# KiCad board SparkFun_IM19_IMU_Breakout_panelized.kicad_pcb
title: SparkFun IM19 IMU Breakout; date: 2025-10-20; rev: v10; company: SparkFun Electronics; note: Designed by: P.C.
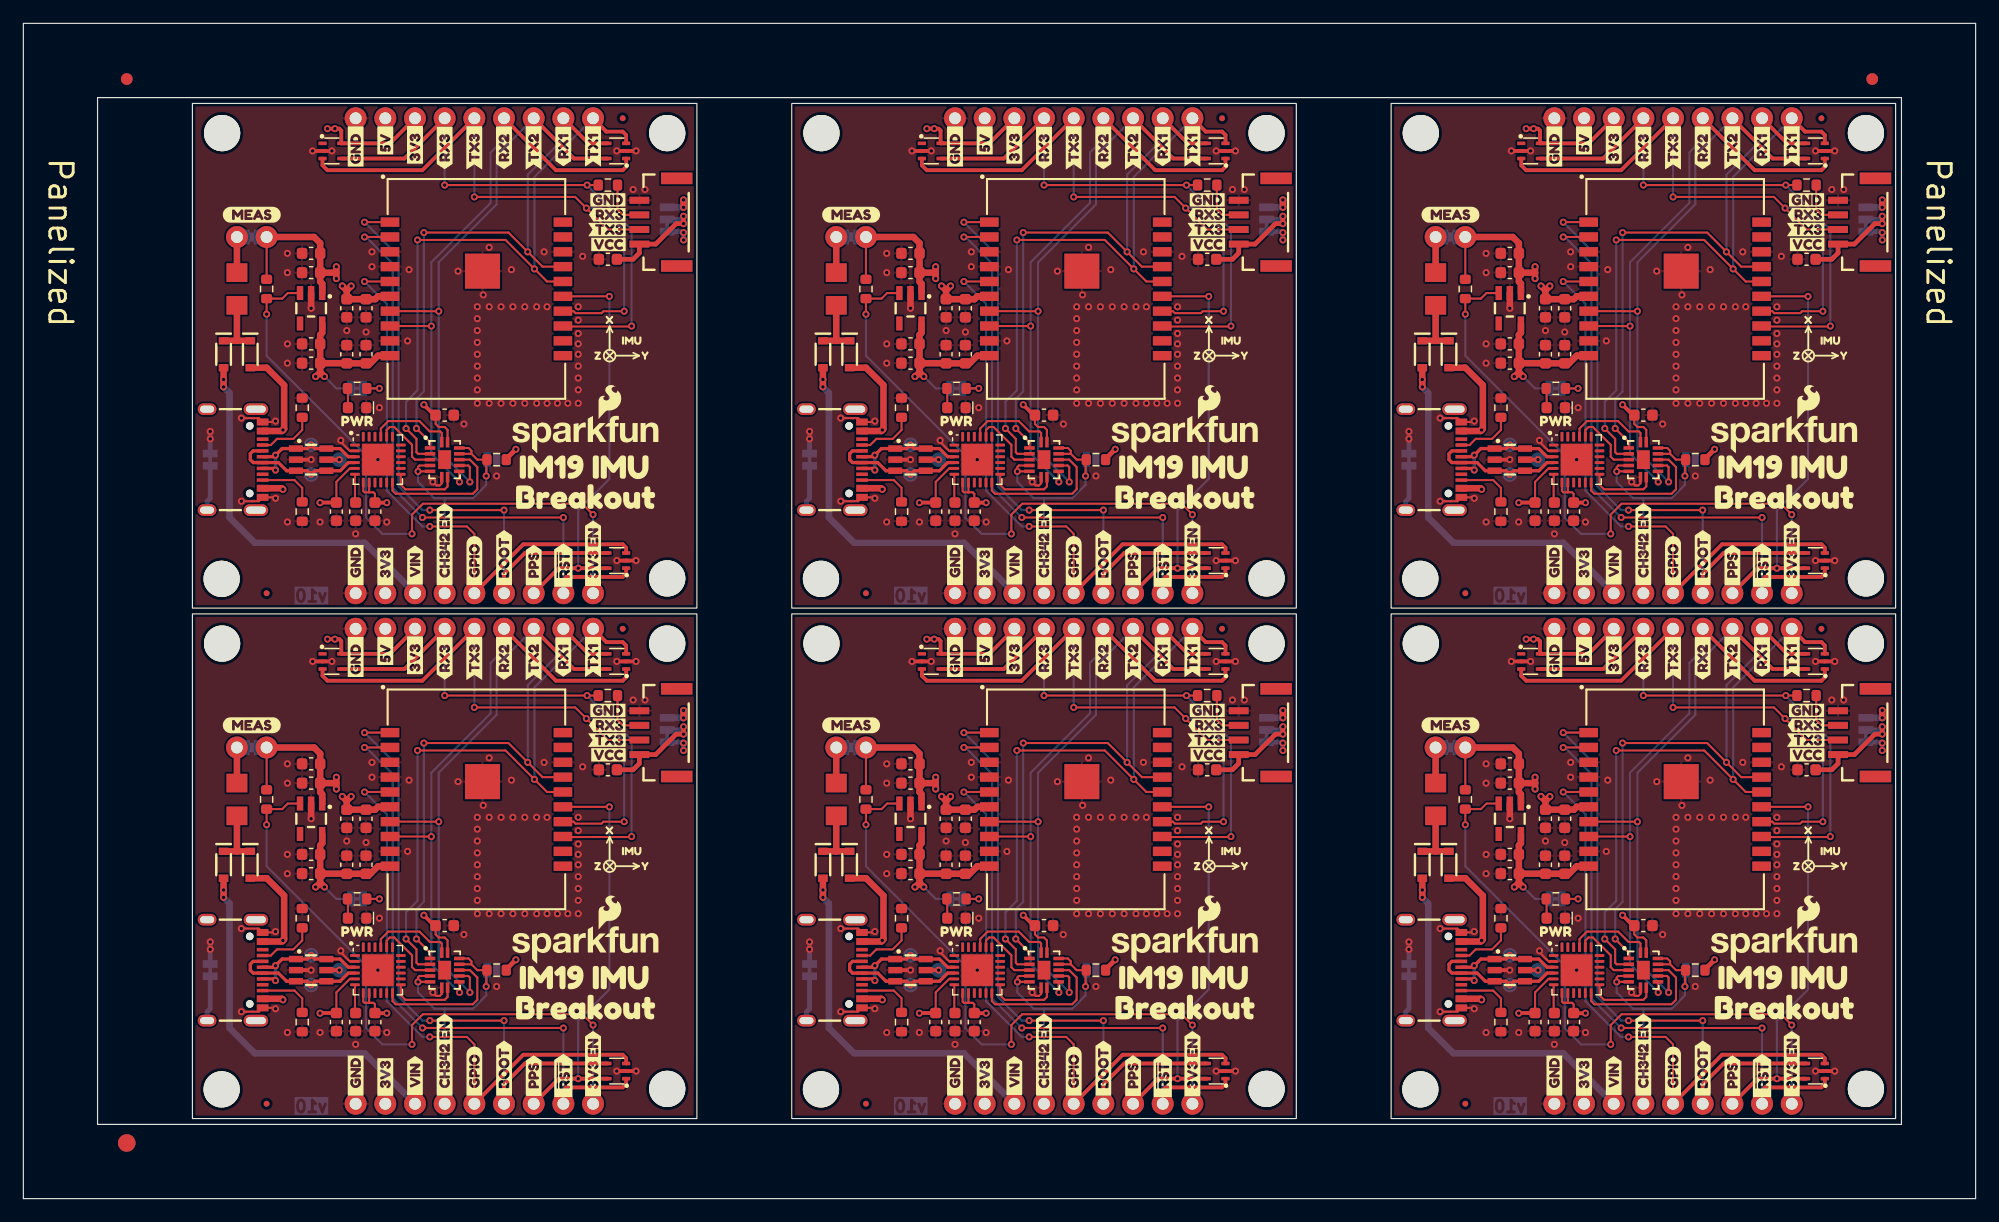
[diagram p0: board, top side]
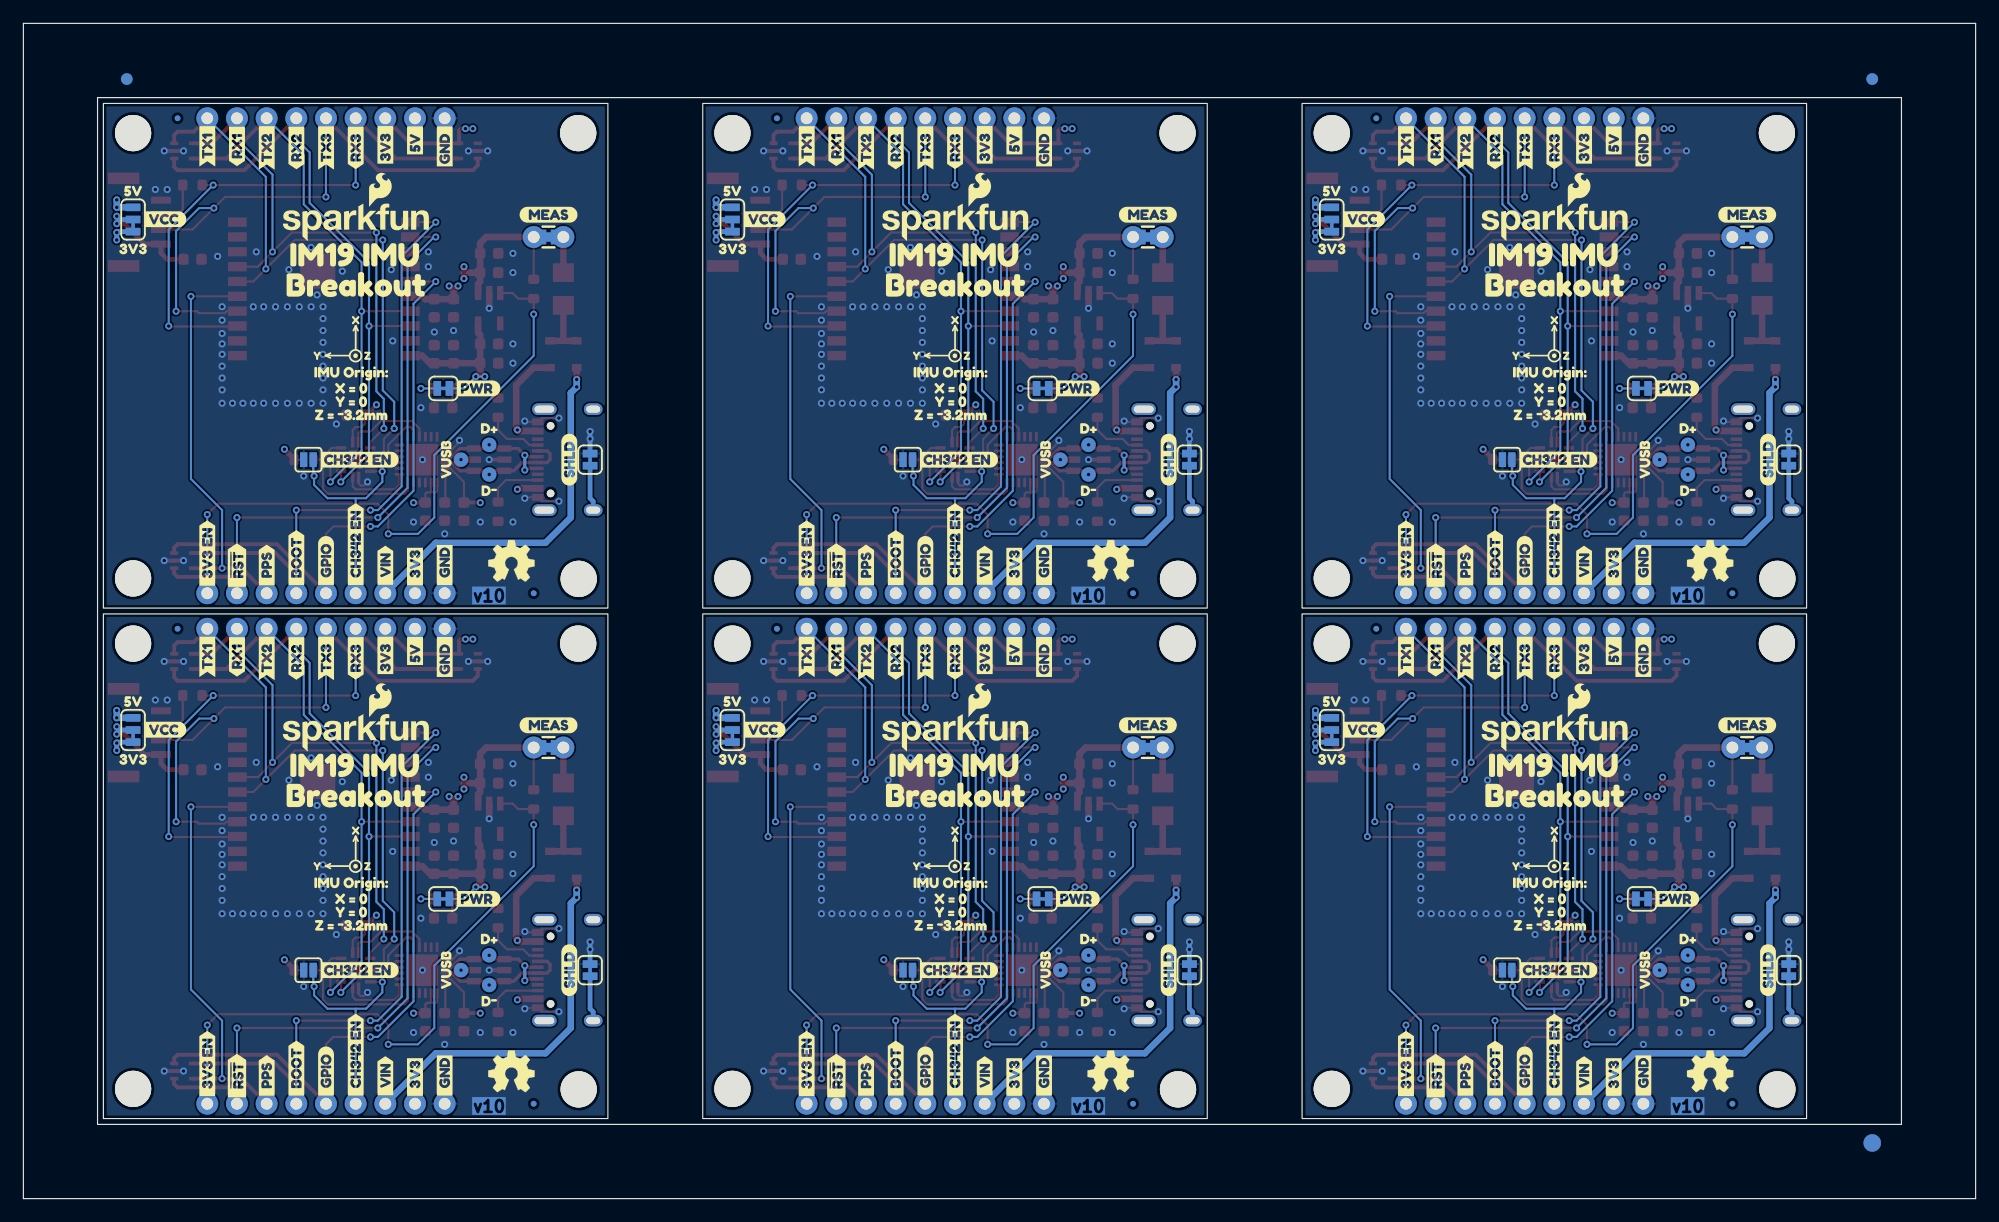
[diagram p1: board, bottom side, seen from below]

Outline 167.1 x 100.56 mm; copper layers: Top, In1.Cu, In2.Cu, Bottom. Coordinates in mm from the lower left corner of the outline.
Outline path: rectangle 14.47,93.71 57.65,50.53 ; rectangle 14.47,50.03 57.65,6.85 ; rectangle 65.77,93.71 108.95,50.53 ; rectangle 65.77,50.03 108.95,6.85 ; rectangle 117.07,93.71 160.25,50.53 ; rectangle 117.07,50.03 160.25,6.85 ; 0,100.56 167.1,100.56 167.1,0 0,0 0,100.56 ; 6.35,94.21 160.75,94.21 160.75,6.35 6.35,6.35 6.35,94.21
Stack: Top 0.035mm / dielectric 0.1mm FR4 er 4.5 / In1.Cu 0.035mm / dielectric 1.24mm FR4 er 4.5 / In2.Cu 0.035mm / dielectric 0.1mm FR4 er 4.5 / Bottom 0.035mm

## Placement (name value [footprint] x y rotation side)
C1  10uF  [C_0603_1608Metric]  27.68 32.5 270 top
C1#2  10uF  [C_0603_1608Metric]  78.98 76.18 270 top
C1#3  10uF  [C_0603_1608Metric]  130.28 32.5 270 top
C1#4  10uF  [C_0603_1608Metric]  78.98 32.5 270 top
C1#5  10uF  [C_0603_1608Metric]  130.28 76.18 270 top
C1#6  10uF  [C_0603_1608Metric]  27.68 76.18 270 top
C2  10uF  [C_0603_1608Metric]  27.68 28.57 90 top
C2#2  10uF  [C_0603_1608Metric]  78.98 28.57 90 top
C2#3  10uF  [C_0603_1608Metric]  27.68 72.25 90 top
C2#4  10uF  [C_0603_1608Metric]  78.98 72.25 90 top
C2#5  10uF  [C_0603_1608Metric]  130.28 28.57 90 top
C2#6  10uF  [C_0603_1608Metric]  130.28 72.25 90 top
C3  0.1uF  [C_0603_1608Metric]  29.33 32.5 270 top
C3#2  0.1uF  [C_0603_1608Metric]  80.63 32.5 270 top
C3#3  0.1uF  [C_0603_1608Metric]  29.33 76.18 270 top
C3#4  0.1uF  [C_0603_1608Metric]  80.63 76.18 270 top
C3#5  0.1uF  [C_0603_1608Metric]  131.93 32.5 270 top
C3#6  0.1uF  [C_0603_1608Metric]  131.93 76.18 270 top
C4  0.1uF  [C_0603_1608Metric]  131.93 72.25 90 top
C4#2  0.1uF  [C_0603_1608Metric]  29.33 28.57 90 top
C4#3  0.1uF  [C_0603_1608Metric]  80.63 72.25 90 top
C4#4  0.1uF  [C_0603_1608Metric]  131.93 28.57 90 top
C4#5  0.1uF  [C_0603_1608Metric]  29.33 72.25 90 top
C4#6  0.1uF  [C_0603_1608Metric]  80.63 28.57 90 top
C5  1.0uF  [C_0603_1608Metric]  30.09 15.11 270 top
C5#2  1.0uF  [C_0603_1608Metric]  132.69 58.78 270 top
C5#3  1.0uF  [C_0603_1608Metric]  132.69 15.11 270 top
C5#4  1.0uF  [C_0603_1608Metric]  81.39 15.11 270 top
C5#5  1.0uF  [C_0603_1608Metric]  30.09 58.78 270 top
C5#6  1.0uF  [C_0603_1608Metric]  81.39 58.78 270 top
C6  1.0uF  [C_0603_1608Metric]  26.79 15.11 270 top
C6#2  1.0uF  [C_0603_1608Metric]  129.39 58.78 270 top
C6#3  1.0uF  [C_0603_1608Metric]  129.39 15.11 270 top
C6#4  1.0uF  [C_0603_1608Metric]  26.79 58.78 270 top
C6#5  1.0uF  [C_0603_1608Metric]  78.09 15.11 270 top
C6#6  1.0uF  [C_0603_1608Metric]  78.09 58.78 270 top
C7  0.1uF  [C_0603_1608Metric]  28.44 15.11 270 top
C7#2  0.1uF  [C_0603_1608Metric]  28.44 58.78 270 top
C7#3  0.1uF  [C_0603_1608Metric]  131.04 15.11 270 top
C7#4  0.1uF  [C_0603_1608Metric]  79.74 58.78 270 top
C7#5  0.1uF  [C_0603_1608Metric]  79.74 15.11 270 top
C7#6  0.1uF  [C_0603_1608Metric]  131.04 58.78 270 top
C8  10uF  [C_0603_1608Metric]  24.63 37.2 180 top
C8#2  10uF  [C_0603_1608Metric]  75.93 37.2 180 top
C8#3  10uF  [C_0603_1608Metric]  75.93 80.88 180 top
C8#4  10uF  [C_0603_1608Metric]  127.23 80.88 180 top
C8#5  10uF  [C_0603_1608Metric]  24.63 80.88 180 top
C8#6  10uF  [C_0603_1608Metric]  127.23 37.2 180 top
C9  1.0uF  [C_0603_1608Metric]  24.63 35.55 180 top
C9#2  1.0uF  [C_0603_1608Metric]  24.63 79.23 180 top
C9#3  1.0uF  [C_0603_1608Metric]  75.93 79.23 180 top
C9#4  1.0uF  [C_0603_1608Metric]  75.93 35.55 180 top
C9#5  1.0uF  [C_0603_1608Metric]  127.23 79.23 180 top
C9#6  1.0uF  [C_0603_1608Metric]  127.23 35.55 180 top
C10  1.0uF  [C_0603_1608Metric]  24.63 29.46 180 top
C10#2  1.0uF  [C_0603_1608Metric]  24.63 73.14 180 top
C10#3  1.0uF  [C_0603_1608Metric]  75.93 73.14 180 top
C10#4  1.0uF  [C_0603_1608Metric]  127.23 29.46 180 top
C10#5  1.0uF  [C_0603_1608Metric]  75.93 29.46 180 top
C10#6  1.0uF  [C_0603_1608Metric]  127.23 73.14 180 top
C11  10uF  [C_0603_1608Metric]  50.03 36.7 180 top
C11#2  10uF  [C_0603_1608Metric]  50.03 80.38 180 top
C11#3  10uF  [C_0603_1608Metric]  101.33 36.7 180 top
C11#4  10uF  [C_0603_1608Metric]  101.33 80.38 180 top
C11#5  10uF  [C_0603_1608Metric]  152.63 36.7 180 top
C11#6  10uF  [C_0603_1608Metric]  152.63 80.38 180 top
C12  10uF  [C_0603_1608Metric]  24.63 27.81 180 top
C12#2  10uF  [C_0603_1608Metric]  75.93 27.81 180 top
C12#3  10uF  [C_0603_1608Metric]  24.63 71.48 180 top
C12#4  10uF  [C_0603_1608Metric]  127.23 27.81 180 top
C12#5  10uF  [C_0603_1608Metric]  75.93 71.48 180 top
C12#6  10uF  [C_0603_1608Metric]  127.23 71.48 180 top
C13  1.0uF  [C_0603_1608Metric]  36.06 23.36 0 top
C13#2  1.0uF  [C_0603_1608Metric]  36.06 67.04 0 top
C13#3  1.0uF  [C_0603_1608Metric]  87.36 23.36 0 top
C13#4  1.0uF  [C_0603_1608Metric]  138.66 23.36 0 top
C13#5  1.0uF  [C_0603_1608Metric]  138.66 67.04 0 top
C13#6  1.0uF  [C_0603_1608Metric]  87.36 67.04 0 top
CH342_EN.1  CH342_EN  [Jumper_2_NO]  40.1 19.55 180 bottom
CH342_EN.1#2  CH342_EN  [Jumper_2_NO]  40.1 63.23 180 bottom
CH342_EN.1#3  CH342_EN  [Jumper_2_NO]  142.7 63.23 180 bottom
CH342_EN.1#4  CH342_EN  [Jumper_2_NO]  91.4 19.55 180 bottom
CH342_EN.1#5  CH342_EN  [Jumper_2_NO]  91.4 63.23 180 bottom
CH342_EN.1#6  CH342_EN  [Jumper_2_NO]  142.7 19.55 180 bottom
D1  BAT60A  [SOD-323]  19.42 28.57 270 top
D1#2  BAT60A  [SOD-323]  122.02 28.57 270 top
D1#3  BAT60A  [SOD-323]  70.72 72.25 270 top
D1#4  BAT60A  [SOD-323]  19.42 72.25 270 top
D1#5  BAT60A  [SOD-323]  70.72 28.57 270 top
D1#6  BAT60A  [SOD-323]  122.02 72.25 270 top
D2  BAT60A  [SOD-323]  17.14 28.57 270 top
D2#2  BAT60A  [SOD-323]  17.14 72.25 270 top
D2#3  BAT60A  [SOD-323]  68.44 72.25 270 top
D2#4  BAT60A  [SOD-323]  68.44 28.57 270 top
D2#5  BAT60A  [SOD-323]  119.74 72.25 270 top
D2#6  BAT60A  [SOD-323]  119.74 28.57 270 top
D3  Red  [LED_0603_1608Metric_Red]  28.57 24 180 top
D3#2  Red  [LED_0603_1608Metric_Red]  28.57 67.68 180 top
D3#3  Red  [LED_0603_1608Metric_Red]  79.87 67.68 180 top
D3#4  Red  [LED_0603_1608Metric_Red]  79.87 24 180 top
D3#5  Red  [LED_0603_1608Metric_Red]  131.17 24 180 top
D3#6  Red  [LED_0603_1608Metric_Red]  131.17 67.68 180 top
D4  DF5A5.6LFU  [SOT-353]  50.79 45.97 180 top
D4#2  DF5A5.6LFU  [SOT-353]  102.09 45.97 180 top
D4#3  DF5A5.6LFU  [SOT-353]  50.79 89.65 180 top
D4#4  DF5A5.6LFU  [SOT-353]  153.39 45.97 180 top
D4#5  DF5A5.6LFU  [SOT-353]  102.09 89.65 180 top
D4#6  DF5A5.6LFU  [SOT-353]  153.39 89.65 180 top
D5  DF5A5.6LFU  [SOT-353]  26.41 45.97 0 top
D5#2  DF5A5.6LFU  [SOT-353]  77.71 45.97 0 top
D5#3  DF5A5.6LFU  [SOT-353]  26.41 89.65 0 top
D5#4  DF5A5.6LFU  [SOT-353]  129.01 89.65 0 top
D5#5  DF5A5.6LFU  [SOT-353]  129.01 45.97 0 top
D5#6  DF5A5.6LFU  [SOT-353]  77.71 89.65 0 top
D6  DT1042-04SO  [SOT23-6]  24.63 19.55 0 top
D6#2  DT1042-04SO  [SOT23-6]  24.63 63.23 0 top
D6#3  DT1042-04SO  [SOT23-6]  75.93 19.55 0 top
D6#4  DT1042-04SO  [SOT23-6]  127.23 19.55 0 top
D6#5  DT1042-04SO  [SOT23-6]  127.23 63.23 0 top
D6#6  DT1042-04SO  [SOT23-6]  75.93 63.23 0 top
D7  DF5A5.6LFU  [SOT-353]  50.79 10.91 180 top
D7#2  DF5A5.6LFU  [SOT-353]  153.39 54.59 180 top
D7#3  DF5A5.6LFU  [SOT-353]  102.09 10.91 180 top
D7#4  DF5A5.6LFU  [SOT-353]  50.79 54.59 180 top
D7#5  DF5A5.6LFU  [SOT-353]  102.09 54.59 180 top
D7#6  DF5A5.6LFU  [SOT-353]  153.39 10.91 180 top
F1  6V/0.75A/1.5A  [1206]  18.28 34.16 90 top
F1#2  6V/0.75A/1.5A  [1206]  69.58 77.84 90 top
F1#3  6V/0.75A/1.5A  [1206]  120.88 77.84 90 top
F1#4  6V/0.75A/1.5A  [1206]  69.58 34.16 90 top
F1#5  6V/0.75A/1.5A  [1206]  18.28 77.84 90 top
F1#6  6V/0.75A/1.5A  [1206]  120.88 34.16 90 top
FID1  Fiducial_0.5mm  [Fiducial_0.5mm_Mask1mm]  20.82 8.12 90 top
FID1#2  Fiducial_0.5mm  [Fiducial_0.5mm_Mask1mm]  72.12 51.8 90 top
FID1#3  Fiducial_0.5mm  [Fiducial_0.5mm_Mask1mm]  20.82 51.8 90 top
FID1#4  Fiducial_0.5mm  [Fiducial_0.5mm_Mask1mm]  72.12 8.12 90 top
FID1#5  Fiducial_0.5mm  [Fiducial_0.5mm_Mask1mm]  123.42 51.8 90 top
FID1#6  Fiducial_0.5mm  [Fiducial_0.5mm_Mask1mm]  123.42 8.12 90 top
FID2  Fiducial_0.5mm  [Fiducial_0.5mm_Mask1mm]  51.3 48.76 270 bottom
FID2#2  Fiducial_0.5mm  [Fiducial_0.5mm_Mask1mm]  153.9 92.44 270 bottom
FID2#3  Fiducial_0.5mm  [Fiducial_0.5mm_Mask1mm]  51.3 92.44 270 bottom
FID2#4  Fiducial_0.5mm  [Fiducial_0.5mm_Mask1mm]  102.6 48.76 270 bottom
FID2#5  Fiducial_0.5mm  [Fiducial_0.5mm_Mask1mm]  153.9 48.76 270 bottom
FID2#6  Fiducial_0.5mm  [Fiducial_0.5mm_Mask1mm]  102.6 92.44 270 bottom
FID3  Fiducial_0.5mm  [Fiducial_0.5mm_Mask1mm]  20.82 8.12 270 bottom
FID3#2  Fiducial_0.5mm  [Fiducial_0.5mm_Mask1mm]  20.82 51.8 270 bottom
FID3#3  Fiducial_0.5mm  [Fiducial_0.5mm_Mask1mm]  123.42 51.8 270 bottom
FID3#4  Fiducial_0.5mm  [Fiducial_0.5mm_Mask1mm]  72.12 51.8 270 bottom
FID3#5  Fiducial_0.5mm  [Fiducial_0.5mm_Mask1mm]  72.12 8.12 270 bottom
FID3#6  Fiducial_0.5mm  [Fiducial_0.5mm_Mask1mm]  123.42 8.12 270 bottom
FID4  Fiducial_0.5mm  [Fiducial_0.5mm_Mask1mm]  51.3 48.76 90 top
FID4#2  Fiducial_0.5mm  [Fiducial_0.5mm_Mask1mm]  153.9 92.44 90 top
FID4#3  Fiducial_0.5mm  [Fiducial_0.5mm_Mask1mm]  51.3 92.44 90 top
FID4#4  Fiducial_0.5mm  [Fiducial_0.5mm_Mask1mm]  102.6 92.44 90 top
FID4#5  Fiducial_0.5mm  [Fiducial_0.5mm_Mask1mm]  102.6 48.76 90 top
FID4#6  Fiducial_0.5mm  [Fiducial_0.5mm_Mask1mm]  153.9 48.76 90 top
G2  OSHW_Logo  [Creative_Commons_License]  111.97 -36.15 0 top
G***  LOGO  [SparkFun_Logo_12.5mm]  48 21.96 0 top
G***#2  LOGO  [SparkFun_Logo_12.5mm]  99.3 21.96 0 top
G***#3  LOGO  [SparkFun_Logo_12.5mm]  48 65.64 0 top
G***#4  LOGO  [SparkFun_Logo_12.5mm]  150.6 65.64 0 top
G***#5  LOGO  [SparkFun_Logo_12.5mm]  150.6 21.96 0 top
G***#6  LOGO  [SparkFun_Logo_12.5mm]  99.3 65.64 0 top
G***#7  LOGO  [SparkFun_Logo_12.5mm]  138.75 40.12 180 bottom
G***#8  LOGO  [SparkFun_Logo_12.5mm]  36.15 40.12 180 bottom
G***#9  LOGO  [SparkFun_Logo_12.5mm]  36.15 83.8 180 bottom
G***#10  LOGO  [SparkFun_Logo_12.5mm]  87.45 40.12 180 bottom
G***#11  LOGO  [SparkFun_Logo_12.5mm]  138.75 83.8 180 bottom
G***#12  LOGO  [SparkFun_Logo_12.5mm]  87.45 83.8 180 bottom
J1  JST_Locking_4  [JST_1x04_P1.25mm_Locking_Horizontal_SMD]  54.47 39.87 90 top
J1#2  JST_Locking_4  [JST_1x04_P1.25mm_Locking_Horizontal_SMD]  157.08 39.87 90 top
J1#3  JST_Locking_4  [JST_1x04_P1.25mm_Locking_Horizontal_SMD]  54.47 83.55 90 top
J1#4  JST_Locking_4  [JST_1x04_P1.25mm_Locking_Horizontal_SMD]  105.78 39.87 90 top
J1#5  JST_Locking_4  [JST_1x04_P1.25mm_Locking_Horizontal_SMD]  105.78 83.55 90 top
J1#6  JST_Locking_4  [JST_1x04_P1.25mm_Locking_Horizontal_SMD]  157.08 83.55 90 top
J2  Conn_01x09  [1x09_P2.54mm]  48.76 48.76 180 top
J2#2  Conn_01x09  [1x09_P2.54mm]  100.06 48.76 180 top
J2#3  Conn_01x09  [1x09_P2.54mm]  48.76 92.44 180 top
J2#4  Conn_01x09  [1x09_P2.54mm]  100.06 92.44 180 top
J2#5  Conn_01x09  [1x09_P2.54mm]  151.36 48.76 180 top
J2#6  Conn_01x09  [1x09_P2.54mm]  151.36 92.44 180 top
J3  USB_C_Receptacle  [USB-C_16]  20.82 19.55 270 top
J3#2  USB_C_Receptacle  [USB-C_16]  72.12 19.55 270 top
J3#3  USB_C_Receptacle  [USB-C_16]  123.42 19.55 270 top
J3#4  USB_C_Receptacle  [USB-C_16]  72.12 63.23 270 top
J3#5  USB_C_Receptacle  [USB-C_16]  123.42 63.23 270 top
J3#6  USB_C_Receptacle  [USB-C_16]  20.82 63.23 270 top
J4  Conn_01x09  [1x09_P2.54mm]  48.76 8.12 180 top
J4#2  Conn_01x09  [1x09_P2.54mm]  151.36 8.12 180 top
J4#3  Conn_01x09  [1x09_P2.54mm]  100.06 8.12 180 top
J4#4  Conn_01x09  [1x09_P2.54mm]  48.76 51.8 180 top
J4#5  Conn_01x09  [1x09_P2.54mm]  100.06 51.8 180 top
J4#6  Conn_01x09  [1x09_P2.54mm]  151.36 51.8 180 top
JP1  MEAS  [Jumper_2_PTH_SMD_Combo-NC]  19.55 38.6 0 bottom
JP1#2  MEAS  [Jumper_2_PTH_SMD_Combo-NC]  122.15 38.6 0 bottom
JP1#3  MEAS  [Jumper_2_PTH_SMD_Combo-NC]  19.55 82.28 0 bottom
JP1#4  MEAS  [Jumper_2_PTH_SMD_Combo-NC]  70.85 38.6 0 bottom
JP1#5  MEAS  [Jumper_2_PTH_SMD_Combo-NC]  70.85 82.28 0 bottom
JP1#6  MEAS  [Jumper_2_PTH_SMD_Combo-NC]  122.15 82.28 0 bottom
kibuzzard-67FFA928  G***  [kibuzzard-67FFA928]  52.07 29.73 0 top
kibuzzard-67FFA928#2  G***  [kibuzzard-67FFA928]  154.67 29.73 0 top
kibuzzard-67FFA928#3  G***  [kibuzzard-67FFA928]  103.37 73.41 0 top
kibuzzard-67FFA928#4  G***  [kibuzzard-67FFA928]  52.07 73.41 0 top
kibuzzard-67FFA928#5  G***  [kibuzzard-67FFA928]  103.37 29.73 0 top
kibuzzard-67FFA928#6  G***  [kibuzzard-67FFA928]  154.67 73.41 0 top
kibuzzard-67FFB45E  G***  [kibuzzard-67FFB45E]  50.16 31.5 0 top
kibuzzard-67FFB45E#2  G***  [kibuzzard-67FFB45E]  50.16 75.18 0 top
kibuzzard-67FFB45E#3  G***  [kibuzzard-67FFB45E]  101.46 31.5 0 top
kibuzzard-67FFB45E#4  G***  [kibuzzard-67FFB45E]  152.76 75.18 0 top
kibuzzard-67FFB45E#5  G***  [kibuzzard-67FFB45E]  101.46 75.18 0 top
kibuzzard-67FFB45E#6  G***  [kibuzzard-67FFB45E]  152.76 31.5 0 top
kibuzzard-67FFB45E#7  G***  [kibuzzard-67FFB45E]  36.06 31.49 0 bottom
kibuzzard-67FFB45E#8  G***  [kibuzzard-67FFB45E]  87.36 75.17 0 bottom
kibuzzard-67FFB45E#9  G***  [kibuzzard-67FFB45E]  138.66 31.49 0 bottom
kibuzzard-67FFB45E#10  G***  [kibuzzard-67FFB45E]  138.66 75.17 0 bottom
kibuzzard-67FFB45E#11  G***  [kibuzzard-67FFB45E]  87.36 31.49 0 bottom
kibuzzard-67FFB45E#12  G***  [kibuzzard-67FFB45E]  36.06 75.17 0 bottom
kibuzzard-67FFB46A  G***  [kibuzzard-67FFB46A]  49.16 28.44 0 top
kibuzzard-67FFB46A#2  G***  [kibuzzard-67FFB46A]  49.16 72.12 0 top
kibuzzard-67FFB46A#3  G***  [kibuzzard-67FFB46A]  100.46 28.44 0 top
kibuzzard-67FFB46A#4  G***  [kibuzzard-67FFB46A]  100.46 72.12 0 top
kibuzzard-67FFB46A#5  G***  [kibuzzard-67FFB46A]  151.76 28.44 0 top
kibuzzard-67FFB46A#6  G***  [kibuzzard-67FFB46A]  151.76 72.12 0 top
kibuzzard-67FFB46A#7  G***  [kibuzzard-67FFB46A]  35.04 28.44 180 bottom
kibuzzard-67FFB46A#8  G***  [kibuzzard-67FFB46A]  86.34 28.44 180 bottom
kibuzzard-67FFB46A#9  G***  [kibuzzard-67FFB46A]  137.64 72.12 180 bottom
kibuzzard-67FFB46A#10  G***  [kibuzzard-67FFB46A]  86.34 72.12 180 bottom
kibuzzard-67FFB46A#11  G***  [kibuzzard-67FFB46A]  35.04 72.12 180 bottom
kibuzzard-67FFB46A#12  G***  [kibuzzard-67FFB46A]  137.64 28.44 180 bottom
kibuzzard-67FFB450  G***  [kibuzzard-67FFB450]  53.2 28.46 0 top
kibuzzard-67FFB450#2  G***  [kibuzzard-67FFB450]  104.5 28.46 0 top
kibuzzard-67FFB450#3  G***  [kibuzzard-67FFB450]  155.8 28.46 0 top
kibuzzard-67FFB450#4  G***  [kibuzzard-67FFB450]  53.2 72.14 0 top
kibuzzard-67FFB450#5  G***  [kibuzzard-67FFB450]  104.5 72.14 0 top
kibuzzard-67FFB450#6  G***  [kibuzzard-67FFB450]  155.8 72.14 0 top
kibuzzard-67FFB450#7  G***  [kibuzzard-67FFB450]  39.36 28.45 180 bottom
kibuzzard-67FFB450#8  G***  [kibuzzard-67FFB450]  90.66 72.13 180 bottom
kibuzzard-67FFB450#9  G***  [kibuzzard-67FFB450]  90.66 28.45 180 bottom
kibuzzard-67FFB450#10  G***  [kibuzzard-67FFB450]  39.36 72.13 180 bottom
kibuzzard-67FFB450#11  G***  [kibuzzard-67FFB450]  141.96 28.45 180 bottom
kibuzzard-67FFB450#12  G***  [kibuzzard-67FFB450]  141.96 72.13 180 bottom
kibuzzard-68F5D5EE  G***  [kibuzzard-68F5D5EE]  28.44 10.53 90 top
kibuzzard-68F5D5EE#2  G***  [kibuzzard-68F5D5EE]  28.44 54.21 90 top
kibuzzard-68F5D5EE#3  G***  [kibuzzard-68F5D5EE]  79.74 10.53 90 top
kibuzzard-68F5D5EE#4  G***  [kibuzzard-68F5D5EE]  131.04 10.53 90 top
kibuzzard-68F5D5EE#5  G***  [kibuzzard-68F5D5EE]  131.04 54.21 90 top
kibuzzard-68F5D5EE#6  G***  [kibuzzard-68F5D5EE]  79.74 54.21 90 top
kibuzzard-68F5D5EE#7  G***  [kibuzzard-68F5D5EE]  28.44 10.53 90 bottom
kibuzzard-68F5D5EE#8  G***  [kibuzzard-68F5D5EE]  79.74 10.53 90 bottom
kibuzzard-68F5D5EE#9  G***  [kibuzzard-68F5D5EE]  28.44 54.21 90 bottom
kibuzzard-68F5D5EE#10  G***  [kibuzzard-68F5D5EE]  79.74 54.21 90 bottom
kibuzzard-68F5D5EE#11  G***  [kibuzzard-68F5D5EE]  131.04 54.21 90 bottom
kibuzzard-68F5D5EE#12  G***  [kibuzzard-68F5D5EE]  131.04 10.53 90 bottom
kibuzzard-68F5D6B2  G***  [kibuzzard-68F5D6B2]  38.6 10.91 90 top
kibuzzard-68F5D6B2#2  G***  [kibuzzard-68F5D6B2]  38.6 54.59 90 top
kibuzzard-68F5D6B2#3  G***  [kibuzzard-68F5D6B2]  141.2 54.59 90 top
kibuzzard-68F5D6B2#4  G***  [kibuzzard-68F5D6B2]  89.9 54.59 90 top
kibuzzard-68F5D6B2#5  G***  [kibuzzard-68F5D6B2]  141.2 10.91 90 top
kibuzzard-68F5D6B2#6  G***  [kibuzzard-68F5D6B2]  89.9 10.91 90 top
kibuzzard-68F5D6B2#7  G***  [kibuzzard-68F5D6B2]  38.59 10.92 90 bottom
kibuzzard-68F5D6B2#8  G***  [kibuzzard-68F5D6B2]  141.19 10.92 90 bottom
kibuzzard-68F5D6B2#9  G***  [kibuzzard-68F5D6B2]  38.59 54.6 90 bottom
kibuzzard-68F5D6B2#10  G***  [kibuzzard-68F5D6B2]  89.89 10.92 90 bottom
kibuzzard-68F5D6B2#11  G***  [kibuzzard-68F5D6B2]  89.89 54.6 90 bottom
kibuzzard-68F5D6B2#12  G***  [kibuzzard-68F5D6B2]  141.19 54.6 90 bottom
kibuzzard-68F5D6C3  G***  [kibuzzard-68F5D6C3]  41.14 11.17 90 top
kibuzzard-68F5D6C3#2  G***  [kibuzzard-68F5D6C3]  41.14 54.85 90 top
kibuzzard-68F5D6C3#3  G***  [kibuzzard-68F5D6C3]  143.74 54.85 90 top
kibuzzard-68F5D6C3#4  G***  [kibuzzard-68F5D6C3]  92.44 11.17 90 top
kibuzzard-68F5D6C3#5  G***  [kibuzzard-68F5D6C3]  92.44 54.85 90 top
kibuzzard-68F5D6C3#6  G***  [kibuzzard-68F5D6C3]  143.74 11.17 90 top
kibuzzard-68F5D6C3#7  G***  [kibuzzard-68F5D6C3]  41.13 11.17 90 bottom
kibuzzard-68F5D6C3#8  G***  [kibuzzard-68F5D6C3]  143.73 54.85 90 bottom
kibuzzard-68F5D6C3#9  G***  [kibuzzard-68F5D6C3]  143.73 11.17 90 bottom
kibuzzard-68F5D6C3#10  G***  [kibuzzard-68F5D6C3]  92.43 54.85 90 bottom
kibuzzard-68F5D6C3#11  G***  [kibuzzard-68F5D6C3]  41.13 54.85 90 bottom
kibuzzard-68F5D6C3#12  G***  [kibuzzard-68F5D6C3]  92.43 11.17 90 bottom
kibuzzard-68F5D6DA  G***  [kibuzzard-68F5D6DA]  43.68 10.53 90 top
kibuzzard-68F5D6DA#2  G***  [kibuzzard-68F5D6DA]  43.68 54.21 90 top
kibuzzard-68F5D6DA#3  G***  [kibuzzard-68F5D6DA]  146.28 10.53 90 top
kibuzzard-68F5D6DA#4  G***  [kibuzzard-68F5D6DA]  94.98 54.21 90 top
kibuzzard-68F5D6DA#5  G***  [kibuzzard-68F5D6DA]  94.98 10.53 90 top
kibuzzard-68F5D6DA#6  G***  [kibuzzard-68F5D6DA]  146.28 54.21 90 top
kibuzzard-68F5D6DA#7  G***  [kibuzzard-68F5D6DA]  43.67 10.54 90 bottom
kibuzzard-68F5D6DA#8  G***  [kibuzzard-68F5D6DA]  94.97 54.22 90 bottom
kibuzzard-68F5D6DA#9  G***  [kibuzzard-68F5D6DA]  146.27 10.54 90 bottom
kibuzzard-68F5D6DA#10  G***  [kibuzzard-68F5D6DA]  43.67 54.22 90 bottom
kibuzzard-68F5D6DA#11  G***  [kibuzzard-68F5D6DA]  94.97 10.54 90 bottom
kibuzzard-68F5D6DA#12  G***  [kibuzzard-68F5D6DA]  146.27 54.22 90 bottom
kibuzzard-68F5D9B9  G***  [kibuzzard-68F5D9B9]  49.95 39.24 0 top
kibuzzard-68F5D9B9#2  G***  [kibuzzard-68F5D9B9]  152.55 82.92 0 top
kibuzzard-68F5D9B9#3  G***  [kibuzzard-68F5D9B9]  101.25 39.24 0 top
kibuzzard-68F5D9B9#4  G***  [kibuzzard-68F5D9B9]  49.95 82.92 0 top
kibuzzard-68F5D9B9#5  G***  [kibuzzard-68F5D9B9]  152.55 39.24 0 top
kibuzzard-68F5D9B9#6  G***  [kibuzzard-68F5D9B9]  101.25 82.92 0 top
kibuzzard-68F5D9CC  G***  [kibuzzard-68F5D9CC]  49.98 40.51 0 top
kibuzzard-68F5D9CC#2  G***  [kibuzzard-68F5D9CC]  49.98 84.19 0 top
kibuzzard-68F5D9CC#3  G***  [kibuzzard-68F5D9CC]  101.28 40.51 0 top
kibuzzard-68F5D9CC#4  G***  [kibuzzard-68F5D9CC]  152.58 40.51 0 top
kibuzzard-68F5D9CC#5  G***  [kibuzzard-68F5D9CC]  152.58 84.19 0 top
kibuzzard-68F5D9CC#6  G***  [kibuzzard-68F5D9CC]  101.28 84.19 0 top
kibuzzard-68F5D9E8  G***  [kibuzzard-68F5D9E8]  50.08 37.97 0 top
kibuzzard-68F5D9E8#2  G***  [kibuzzard-68F5D9E8]  50.08 81.65 0 top
kibuzzard-68F5D9E8#3  G***  [kibuzzard-68F5D9E8]  101.38 81.65 0 top
kibuzzard-68F5D9E8#4  G***  [kibuzzard-68F5D9E8]  152.68 81.65 0 top
kibuzzard-68F5D9E8#5  G***  [kibuzzard-68F5D9E8]  101.38 37.97 0 top
kibuzzard-68F5D9E8#6  G***  [kibuzzard-68F5D9E8]  152.68 37.97 0 top
kibuzzard-68F5D71D  G***  [kibuzzard-68F5D71D]  48.76 11.55 90 top
kibuzzard-68F5D71D#2  G***  [kibuzzard-68F5D71D]  48.76 55.23 90 top
kibuzzard-68F5D71D#3  G***  [kibuzzard-68F5D71D]  151.36 11.55 90 top
kibuzzard-68F5D71D#4  G***  [kibuzzard-68F5D71D]  151.36 55.23 90 top
kibuzzard-68F5D71D#5  G***  [kibuzzard-68F5D71D]  100.06 55.23 90 top
kibuzzard-68F5D71D#6  G***  [kibuzzard-68F5D71D]  100.06 11.55 90 top
kibuzzard-68F5D71D#7  G***  [kibuzzard-68F5D71D]  48.76 11.56 90 bottom
kibuzzard-68F5D71D#8  G***  [kibuzzard-68F5D71D]  151.36 11.56 90 bottom
kibuzzard-68F5D71D#9  G***  [kibuzzard-68F5D71D]  48.76 55.24 90 bottom
kibuzzard-68F5D71D#10  G***  [kibuzzard-68F5D71D]  100.06 55.24 90 bottom